# Altium PCB MainBoard_Layout_V2.1.PcbDoc (part 2 of 3)
Units mil, origin at the board's own origin, x right, y up, seen from the top; angles counter-clockwise.
Board outline 6141.73 x 3281.1 mil, 4 copper layers (Top Layer 1, Top Layer, Bottom Layer, Bottom Layer 1), stack 61.811 mil thick; 308 components, 232 nets, 1106 pads, 632 vias.
Unrouted connection lines stored in the file: 2.
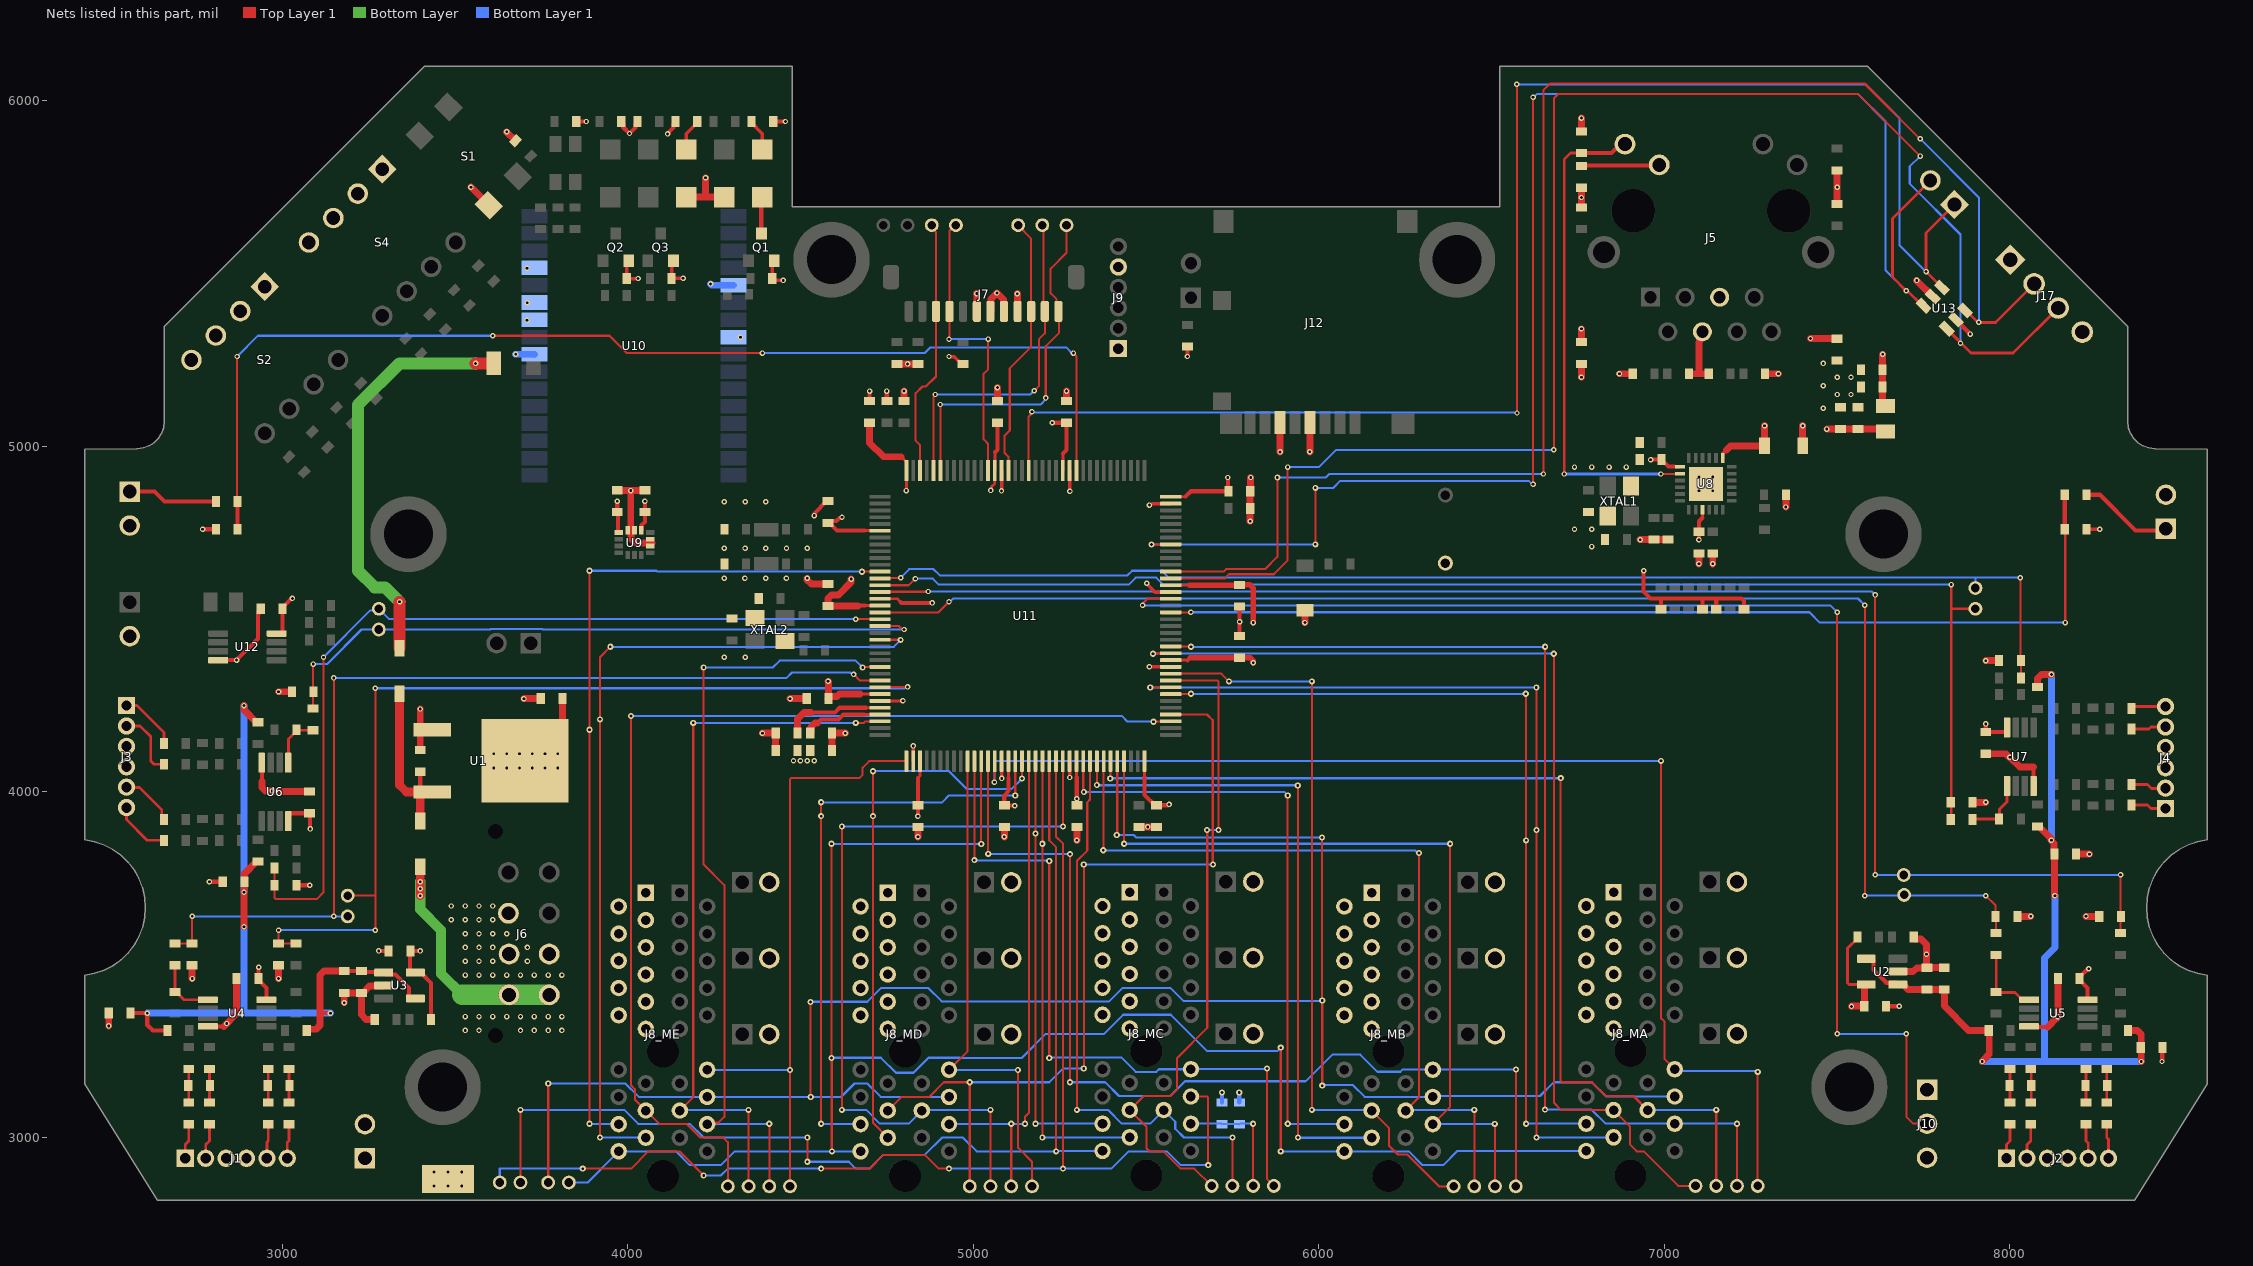
[diagram p4: the nets of this part, all layers, seen from the top]

## Part data (continued)
U11: "ARM® Cortex®-M7 STM32H7 Microcontroller IC 32-Bit 480MHz 2MB (2M x 8) FLASH 144-LQFP (20x20)", Package="LQFP-144 STMicroelectronics", ComponentLink1Description=SnapEDA, ComponentLink1URL=https://www.snapeda.com/parts/STM32H743ZIT6/STMicroelectronics/view-part/1041111/?ref=snap, ComponentLink2Description=DigiKey, ComponentLink2URL=https://www.digikey.ca/en/products/detail/stmicroelectronics/STM32H743ZIT6/7809238, ComponentLink3Description=Datasheet, ComponentLink3URL=https://www.st.com/resource/en/datasheet/stm32h743bi.pdf, Digikey=497-17721-ND, MF=STMicroelectronics, MP=STM32H743ZIT6
U12: "MAX 6685 Thermistor - SPI converter, 8bit", Supplier Part Number 1=MAX6682MUA+-ND, Supplier 1=Digi-Key
XTAL1 XTAL2: library part "XTAL 25MHZ 12PF SMD4", "25MHz ±10ppm Crystal 12pF 40 Ohms 2-SMD, No Lead", Frequency=25MHz, Load Capacitance=12pF, Package="2-SMD, No Lead", ESR="70 Ohms", MF="Yangxing Tech", MP=X322525MOB4SI, Supplier 1=Digi-Key
XTAL3: library part "XTAL 32.7680KHZ 12.5PF SMD 3215", "32.768kHz ±20ppm Crystal 12.5pF 70 kOhms 3215SMD, No Lead", Frequency=32.768kHz, Load Capacitance=12.5pF, Package="2-SMD, No Lead", Supplier Part Number 1=1712309, ComponentLink1Description=Digikey, ComponentLink1URL=https://www.digikey.ca/en/products/detail/ndk-america-inc/NX3215SA-32-768K-STD-MUA-8/2261469, ComponentLink2Description=Datasheet, ComponentLink2URL=https://media.digikey.com/datasheets/production/702868/1/NX3215SA-32-768K-STD-MUA-8.html, ESR="70 kOhms", MF="Seiko Epson", MP=Q13FC1350000400, Supplier 1=RSComponents

## Free pads (board coordinates)
  round 78.74 hole 78.74: 1(3365.93,4745.84) 1(3464.44,3145.84) 1(7535.56,3145.84) 1(7634.07,4745.84)
  round 220.47 hole 141.73: ""(3365.93,4745.84) ""(3464.44,3145.84) ""(4590,5540) ""(6400,5540) ""(7535.56,3145.84) ""(7634.07,4745.84)

## Via types
v1: diameter 15.75, hole 7.87, Top Layer 1 to Bottom Layer 1, tented both sides, 488 vias
v2: diameter 17.72, hole 7.87, Top Layer 1 to Bottom Layer 1, tented both sides, 119 vias
v3: diameter 17.72, hole 7.87, Top Layer 1 to Bottom Layer 1, 19 vias
v4: diameter 228.35, hole 141.73, Top Layer 1 to Bottom Layer 1, 6 vias

## Nets (pads, with @x,y where several pads share a name; then routed paths per layer and width w, separated by ;. In a path a pad name is that pad's centre, name@x,y a point inside that pad or via, vN(x,y) a via of type N, cw(c..) or ccw(c..) an arc to the next point about the centre after c; other vN are vias at no path point)
3V3: C2.1 C3.1 C4.1 C9.1 C10.1 C19.1 C22.1 C33.2 C34.2 C41.2 C50.2 C51.2 C53.2 C56.2 C57.2 C58.2 C59.2 C60.2 C61.2 C62.2 C63.2 C64.2 C65.2 C66.2 C67.2 C68.2 C69.2 C70.2 C71.2 C75.1 J1.4 J2.4 J3.4 J4.4 J7.7 J7.8 J9.1 J10.1 J11.1 J12.4 J17.1 L1.1 R1.2 R2.2 R3.2 R62.2 R63.2 R64.2 R66.2 R68.2 R82.2 R83.2 R84.2 R86.2 R87.2 R90.1 R96.2 R98.1 R103.2 U1.2 U2.5 U3.5 U4.8 U5.8 U6.8 U7.8 U8.9 U9.5 U9.8 U11.6 U11.17 U11.30 U11.32 U11.33 U11.39 U11.52 U11.62 U11.72 U11.84 U11.95 U11.108 U11.121 U11.131 U11.144 U12.8 U13.5 | length 6250
  Top Layer 1 w8: 4673.15,4283.15 U11.30@4730.63,4283.15 ; 4684.09,4224.09 U11.33@4730.63,4224.09 ; 4685.69,4756.15 4730.94,4756.15 U11.6@4731.02,4756.06 ; 4686.93,4539.26 4730.42,4539.26 U11.17@4730.63,4539.06 ; 4690.08,4243.78 U11.32@4730.63,4243.78 ; 4791.81,4970 4806.61,4955.2 U11.144@4806.61,4930 v1(4806.61,4872.03) ; 4840,4040 4845.98,4045.98 U11.39@4845.98,4089.06 ; v1(5050.7,4872.35) 5053.68,4875.34 5053.68,4883.68 5062.52,4892.52 U11.131@5062.52,4930 ; U11.131@5062.91,4930.47 5062.91,4982.91 ; 5102.28,4041.21 U11.52@5102.28,4089.53 ; U11.121@5259.76,4930.47 5259.76,4979.76 ; U11.62@5299.08,4089.47 5299.08,4042.37 5299.52,4041.92 ; 5495.98,4044.02 U11.72@5495.98,4089.53 ; U11.95@5571.57,4598.11 5571.65,4598.03 5626.65,4598.03 ; U11.84@5571.97,4382.05 5617.95,4382.05 5620,4380 ; U11.108@5571.97,4854.49 5614.49,4854.49 ; 7110.16,4793.32 U8.9@7110.16,4816.69 ; R2.2@7558.5,3580 7558.5,3576.06 7530,3547.56 7530,3447.28 7534.69,3442.6 U2.5@7580.31,3442.6
  Top Layer 1 w10: v1(4930,5260) 4930.54,5259.46 4945.11,5259.46 4966.06,5238.5 R84.2@4970,5238.5
  Top Layer 1 w12: v1(2932.55,3492.83) 2932.02,3492.3 2932.02,3460.53 C10.1@2931.5,3460 2931.5,3456.06 2954.65,3432.91 U4.8@2954.65,3398.39 ; U12.8@2984.65,4458.39 2998.05,4458.39 3001.5,4461.83 3001.5,4533.94 3027.56,4560 v1(3030,4560) ; U6.8@3018.39,3915.35 3018.39,3934.84 3022.05,3938.5 C19.1@3080,3938.5 3080.95,3937.55 3080.95,3893.94 v1(3081.9,3892.98) ; C3.1@3370,3539.25 3370,3483.21 3375.81,3477.4 3401.42,3477.4 3431.5,3447.32 R3.2@3431.5,3341.81 ; C3.1@3371.5,3540 v1(3400,3540) ; R96.2@3851.5,5940 v1(3880,5940) ; v1(3970,4841.5) C50.2@3970,4810 3972.17,4807.83 3972.17,4751.91 3973.06,4751.02 U9.8@3974.33,4751.02 ; R90.1@3981.5,5940 3987.31,5934.19 3987.31,5923.39 v1(4005.42,5905.28) 4022.69,5922.55 4022.69,5934.19 R98.1@4028.5,5940 ; U9.5@4039.68,4757.32 4040.57,4758.21 4040.57,4772.07 4050,4781.5 v1(4050,4841.5) ; v1(4115.66,5903.95) 4115.66,5905.66 4132.69,5922.69 4132.69,5934.19 R87.2@4138.5,5940 ; R86.2@4421.5,5940 v1(4456.69,5940) ; 4530,4230 4600,4230 4613.78,4243.78 4690.08,4243.78 ; 4550,4200 4560,4210 4610,4210 4624.09,4224.09 4684.09,4224.09 ; v1(4620.33,4795.18) 4618.11,4792.96 4612.96,4792.96 4603.76,4783.76 4585.26,4783.76 C69.2@4580,4778.5 4583.94,4778.5 4606.35,4756.09 4685.04,4756.09 ; 4666.18,4538.56 4666.69,4539.08 4686.74,4539.08 ; R103.2@4750,5131.5 v1(4750,5160) ; v1(4840,3930) 4840,3967.31 4840,4040 ; 5062.91,4982.91 5070,4990 C56.2@5070,5068.5 ; 5102.28,4041.21 5102.28,4002.28 5090,3990 C60.2@5090,3961.5 5090.78,3960.72 5119.28,3960.72 v1(5120,3960) ; v1(5228.51,5068.21) 5228.65,5068.36 5269.85,5068.36 C66.2@5270,5068.5 5270,4990 5259.76,4979.76 ; 5299.52,4041.92 5299.52,3980.48 v1(5300,3980) ; C61.2@5300,3961.5 v1@5300,3981.69 ; 5495.98,4044.02 5495.98,3991.57 5526.06,3961.5 C62.2@5530,3961.5 5564.46,3961.5 v1(5566.73,3963.77) ; 5614.49,4854.49 5630,4870 C65.2@5738.5,4870 5737.65,4870.86 5737.65,4908.96 v1(5736.79,4909.81) ; 5620,4380 5628.5,4388.5 ; v1(6940,4640) 6940,4580 6960.19,4559.81 6990,4559.81 ; R66.2@6990,4528.5 6990,4559.81 ; v1(7100,4730) C41.2@7100,4752.99 7100,4783.16 7110.16,4793.32 ; R68.2@7110,4528.5 7110,4559.81 ; R64.2@7150,4528.5 7150,4559.81 ; R63.2@7230,4528.5 7230,4552.78 7222.97,4559.81 7150,4559.81 ; U13.5@7843.41,5366.59 v1(7885.01,5324.99) ; v1(7930,4196.7) C22.1@7930,4173.39 7933.39,4170 7936.77,4173.39 7988.17,4173.39 7991.61,4176.83 U7.8@7991.61,4186.54 ; U5.8@8224.65,3398.39 8224.65,3432.91 8201.5,3456.06 8201.5,3463.94 8225.85,3488.29 v1(8228.36,3488.29) ; 6990,4559.81 7110,4559.81 ; 7110,4559.81 7150,4559.81
  Top Layer 1 w16: 5626.66,4598.02 5766.53,4598.02 C64.2@5770,4601.5 ; 5628.5,4388.5 C63.2@5770,4388.5 5801.5,4388.5 5810,4380 v1(5810,4374.13) ; C64.2@5771,4599.11 5800.63,4599.11 5810,4589.74 v1(5810,4490)
  Top Layer 1 w20: U1.2@3703,4090 3811.5,4198.5 C2.1@3811.5,4270 ; C68.2@4491.5,4170 4491.5,4211.5 4510,4230 4530,4230 ; C71.2@4528.5,4170 4530.31,4171.81 4530.31,4188.28 4542.03,4200 4550,4200 ; C58.2@4580,4268.5 C58.2@4580.69,4269.2 ; v1(4580,4320) 4580.69,4319.31 C58.2@4580.69,4269.2 ; v1(4646.73,4615.87) 4646.73,4606.73 4610,4570 4590,4570 4580,4560 C57.2@4580,4538.5 4583.54,4538.5 4583.6,4538.56 4666.18,4538.56 ; 4673.15,4283.15 4613.15,4283.15 4605.74,4275.74 4583.31,4275.74 4581.5,4273.93 C58.2@4581.5,4270 C58.2@4580.69,4269.2 ; C53.2@4700,5068.5 4700,5010 4740,4970 4791.81,4970 ; R82.2@4780,5238.5 v1(4810,5238.5) R83.2@4840,5238.5 ; J7.7@5049.68,5390.59 5051.5,5392.4 5051.5,5426.49 v1(5068.72,5443.71) 5087.24,5425.19 5087.24,5392.4 J7.8@5089.05,5390.59 ; v1(5974.21,4984.21) J12.4@5974.21,5069.17 ; v1(7351.41,4824.43) 7351.5,4824.51 R62.2@7351.5,4860 ; v1(7541.5,3379.44) 7542.06,3380 C4.1@7578.5,3380 7578.5,3440.79 U2.5@7580.31,3442.6 ; v1(7631.98,5266.19) 7631.5,5265.71 C34.2@7631.5,5221.5 C33.2@7631.5,5171.5 7631.26,5171.26 7631.26,5125.74 L1.1@7640,5117
  Bottom Layer 1 w12: R1.2@5770,3101.5 v2(5770,3130)
  other v1: 3612.99,4069.13 3650,4069.13 3687.01,4069.13 3724.02,4069.13 3761.02,4069.13 3798.03,4069.13 4480,4090 4500,4090 4520,4090 4540,4090 3612.99,4110.87 3650,4110.87 3687.01,4110.87 3724.02,4110.87 3761.02,4110.87 3798.03,4110.87
3V3_DIV2A: C6.1 C7.1 C20.1 C32.1 R32.2 R33.2 R60.2 R61.2 U2.1 U2.4 | length 2444.6
  Top Layer 1 w12: U2.4@7584.13,3517.4 7599.69,3517.4 7605.5,3511.59 7605.5,3484.5 7642.18,3447.82 7670.65,3447.82 U2.1@7675.87,3442.6 ; R61.2@8080,4303.39 R61.2@8083.94,4303.39 ; v1@8120,4339.45 v1(8120,4340) ; R33.2@8341.5,3310 R33.2@8347.31,3304.19
  Top Layer 1 w20: U2.1@7675.87,3442.6 7691.42,3442.6 7705.51,3428.5 C7.1@7760,3428.5 C6.1@7810,3428.5 7810,3380 7880,3310 R32.2@7938.5,3310 7940,3308.5 7940,3240.98 7920,3220.98 v1(7920,3220) ; R60.2@8080,3900.39 8083.94,3900.39 8119.31,3865.02 8119.31,3860.69 v1(8120,3860) 8120,3859.02 8127.98,3851.04 8127.98,3819.14 8129.31,3817.81 8129.31,3700.69 v1(8130,3700) ; R61.2@8080,4303.39 8080,4328.28 8091.02,4339.31 8119.31,4339.31 v1(8120,4340) ; R33.2@8341.5,3310 8368.28,3310 8380,3298.28 8380,3261.5 C32.1@8378.5,3260 8379.92,3258.58 8379.92,3220.08 v1(8380,3220)
  Bottom Layer 1 w20: v1(7920,3220) 8100,3220 ; v1(8120,3860) v1(8120,4340) ; v1(8130,3700) 8130,3550 8100,3520 8100,3220 ; v1(8380,3220) 8100,3220
3V3_DIV2B: C5.1 C8.1 C21.2 C31.1 R30.2 R31.2 R58.2 R59.2 U3.1 U3.4 | length 2341.5
  Top Layer 1 w12: C21.2@2561.5,3360 v1(2610,3360) 2610,3326.05 2626.05,3310 R30.2@2668.5,3310 ; 3110,3360 v1(3140,3360) ; 3110,3460 3110,3470 ; C8.1@3180,3481.5 C5.1@3230,3481.5 3232.05,3479.45 3292.09,3479.45 U3.1@3294.13,3477.4 3299.94,3471.59 3328.41,3471.59 3367.46,3432.54 3367.46,3408.41 3373.27,3402.6 U3.4@3385.87,3402.6
  Top Layer 1 w20: v1(2890,3610) v1(2890,3710) 2890.69,3710.69 C31.1@2890.69,3739.2 ; v1(2890,4250) 2890.69,4249.31 2890.69,4236.87 2926.06,4201.5 R58.2@2930,4201.5 ; C31.1@2891.5,3740 C31.1@2890.69,3739.2 ; R59.2@2930,3798.5 2926.06,3798.5 2890.69,3763.13 C31.1@2890.69,3739.2 ; R31.2@3071.5,3310 3071.5,3311.39 3073.31,3313.2 3098.28,3313.2 3110,3324.91 3110,3360 3110,3470 3121.5,3481.5 C8.1@3180,3481.5
  Bottom Layer 1 w20: v1(2610,3360) 2719.99,3359.99 2890,3360 ; 2890,3370 v1(2890,3610) ; v1(2890,3710) v1(2890,4250) ; v1(3140,3360) 2940,3360 ; 2890,3360 2940,3360 ; 2890,3360 2930,3360 2940,3360
5V: C1.1 D1.C D2.C U1.3 | length 514.3
  Top Layer 1 w12: C1.1@3400,4058.5 3400,4013.29 3413.29,4000 U1.3@3435,4000
  Top Layer 1 w25: D1.C@3340,4284 3340,4020 3360,4000 3393.56,4000 3400,3993.56 U1.3@3400,3993.21 ; D2.C@3400,3916 U1.3@3400,3993.21 ; U1.3@3413.29,4000 3406.79,4000 U1.3@3400,3993.21
5V_PWR_BRD: D2.A J6.4 J6.8 | length 713
  Top Layer 1 w25: v1(3400,3700) v1(3400,3720) v1(3400,3740) D2.A@3400,3784
  Top Layer 1 w60: J6.8@3657.04,3412.88 J6.8@3657.09,3412.83
  Bottom Layer w30: v1(3400,3740) v1(3400,3720) v1(3400,3700) 3400,3660 3460,3600 3460,3474.43 3521.55,3412.88
  Bottom Layer w60: 3521.55,3412.88 J6.8@3657.04,3412.88 ; J6.8@3657.09,3412.83 J6.4@3773.07,3412.83
5V_USB_CHRG: D1.A F1.2 | length 1213.5
  Top Layer 1 w35: D1.A@3340,4416 v1(3340,4550) ; v1(3560,5240) F1.2@3612.52,5240
  Bottom Layer w35: v1(3340,4550) 3298.13,4591.87 3268.13,4591.87 3220,4640 3220,5120 3340,5240 v1(3560,5240)
BREAKBEAM: J10.2 U11.93 | length 3851.6
  Top Layer 1 w6: v1(5490,4540) 5490,4544.75 5504.46,4559.21 U11.93@5571.97,4559.21 ; v1(7500,3300) v1(7500,4520) ; v1(7700,3300) 7700,3060 7720,3040 J10.2@7760,3040 J10.2@7751.31,3048.69
  Bottom Layer 1 w6: v1(5490,4540) 7480,4540 v1(7500,4520) ; v1(7500,3300) v1(7700,3300)
CHARGE_PWR_BRD: J7.10 PWR_CHRG.1 U11.129 | length 762.8
  Top Layer 1 w6: U11.129@5101.89,4930 5101.89,4970.21 5090,4982.1 5090,5030 5105.76,5045.76 5105.76,5225.76 5167.79,5287.79 J7.10@5167.79,5390.59 5167.79,5601.19 5130,5638.99 PWR_CHRG.1@5130,5640
CHIP_PWR_BRD: CHIP.1 J7.11 U11.140 | length 1006.8
  Top Layer 1 w6: U11.140@4885.33,4930.89 4885.33,5142.69 4890,5147.36 v1(4890,5150) ; v1(5176.54,5161.01) 5190,5174.47 5190,5310 5207.16,5327.16 J7.11@5207.16,5390.59 5203.58,5394.17 5203.58,5636.42 CHIP.1@5200,5640
  Bottom Layer 1 w6: v1(4890,5150) 5165.53,5150 v1(5176.54,5161.01)
COS_A: R6.1 R12.2 U4.1 | length 181.9
  Top Layer 1 w8: R12.2@2690,3498.5 R6.1@2690,3421.5 2693.94,3421.5 2717.05,3398.39 U4.1@2785.35,3398.39
COS_B: R37.1 R43.2 U7.1 | length 182.7
  Top Layer 1 w8: R43.2@7891.5,3920 7893.39,3921.89 R37.1@7968.5,3921.89 7970,3923.39 7970,3950 7991.61,3971.61 U7.1@7991.61,4017.24
COS_C: R7.1 R13.2 U5.1 | length 211.9
  Top Layer 1 w8: R13.2@7960,3528.5 R7.1@7960,3421.5 7961.5,3420 8014.25,3420 8035.87,3398.39 U5.1@8055.35,3398.39
COS_D: R34.1 R38.2 U6.1 | length 154.1
  Top Layer 1 w8: U6.1@3018.39,4084.65 3018.39,4152.95 3041.5,4176.06 R34.1@3041.5,4180 3042.99,4178.5 R38.2@3090,4178.5
CSOUT_MA: CS_MA.1 J8_MA.A12 U11.50 | length 3531.8
  Top Layer 1 w6: v1(5061.39,4028.07) 5061.96,4028.63 5061.96,4088.49 U11.50@5062.52,4089.06 ; v2(6990,4090) 6990,3345.95 7000,3335.95 7000,3227.48 J8_MA.A12@7030,3197.48 ; CS_MA.1@7270,2860 v2(7270,3190)
  Bottom Layer 1 w6: v1(5061.39,4028.07) 5061.96,4028.63 5061.96,4086.49 5065.47,4090 v2(6990,4090) ; J8_MA.A12@7030,3197.48 7035.24,3192.24 7267.76,3192.24 v2(7270,3190)
CSOUT_MB: CS_MB.1 J8_MB.A12 U11.49 | length 2883.9
  Top Layer 1 w6: U11.49@5042.83,4089.06 5043.2,4088.69 5043.2,3821.17 v2(5043.56,3820.8) ; v2(5280,3160) v2(5280,3820) ; CS_MB.1@6570,2858.74 6570.32,2859.06 6570.32,3196.56 v2(6570.64,3196.88)
  Bottom Layer 1 w6: v2(5043.56,3820.8) 5043.96,3820.4 5279.6,3820.4 v2(5280,3820) ; v2(5280,3160) 5381.84,3160 5421.84,3120 5570,3120 5612.83,3162.83 5961.95,3162.83 6039.13,3240 6120,3240 6169.59,3190.41 6235.81,3190.41 6241.62,3196.22 J8_MB.A12@6330,3196.22 6330.33,3196.55 6570.31,3196.55 v2(6570.64,3196.88)
CSOUT_MC: CS_MC.1 J8_MC.A12 U11.47 | length 2075.4
  Top Layer 1 w6: v2(5003.27,3802.6) 5003.37,3802.7 5003.37,4088.96 U11.47@5003.46,4089.06 ; v2(5220,3230) v2(5220,3800) ; v2(5850,3200) 5849.6,3199.6 5849.6,2880.4 CS_MC.1@5870,2860
  Bottom Layer 1 w6: v2(5003.27,3802.6) 5004.57,3801.3 5218.7,3801.3 v2(5220,3800) ; v2(5220,3230) 5222.13,3232.13 5427.87,3232.13 5470,3190 5530,3190 5537.48,3197.48 J8_MC.A12@5630,3197.48 5631.26,3198.74 5848.74,3198.74 v2(5850,3200)
CSOUT_MD: CS_MD.1 J8_MD.A12 U11.46 | length 1468.7
  Top Layer 1 w6: J8_MD.A12@4930,3196.22 4983.78,3250 U11.46@4983.78,4089.06 ; v2(5129.15,3195.48) 5129.15,2970 5130,2970 5170,2930 CS_MD.1@5170,2858.74
  Bottom Layer 1 w6: J8_MD.A12@4930,3196.22 4930.37,3195.85 5128.78,3195.85 v2(5129.15,3195.48)
CSOUT_ME: CS_ME.1 J8_ME.A12 U11.37 | length 1788.3
  Top Layer 1 w6: CS_ME.1@4470,2858.74 4469.93,2858.81 4469.93,3195.13 v2(4469.86,3195.2) 4469.86,4036.34 4473.51,4040 4670,4040 4680,4050 4680,4070 4699.13,4089.13 U11.37@4806.61,4089.06
  Bottom Layer 1 w6: J8_ME.A12@4230,3196.22 4230.51,3195.71 4469.35,3195.71 v2(4469.86,3195.2)
DIR_MA: DIR_MA.1 J8_MA.A16 U11.86 | length 3175.6
  Top Layer 1 w6: U11.86@5571.57,4420.94 5572.05,4420.47 5629.53,4420.47 v2(5630,4420) ; v2(6654.42,3080.74) 6654.66,3080.97 6654.66,4419.71 v2(6654.89,4419.94) ; DIR_MA.1@7210,2860 v2(7210,3040)
  Bottom Layer 1 w6: v2(5630,4420) v2@6654.86,4419.97 ; v2(6654.42,3080.74) 6789.26,3080.74 6830,3040 J8_MA.A16@7030,3040 v2(7210,3040)
DIR_MB: DIR_MB.1 J8_MB.A16 U11.69 | length 2375.1
  Top Layer 1 w6: U11.69@5436.54,4089.06 5436.65,4088.94 5436.65,3850.07 v2(5436.76,3849.96) ; J8_MB.A16@6330,3038.74 6380,3088.74 v2(6380,3850) ; v2(6509.21,3039.56) 6509.6,3039.17 6509.6,2859.14 DIR_MB.1@6510,2858.74
  Bottom Layer 1 w6: v2(5436.76,3849.96) v2(6380,3850) ; J8_MB.A16@6330,3038.74 6330.41,3039.15 6508.8,3039.15 v2(6509.21,3039.56)
DIR_MC: DIR_MC.1 J8_MC.A16 R1.1 R114.2 | length 361.5
  Top Layer 1 w6: DIR_MC.1@5810,2860 v2(5810,3040)
  Bottom Layer 1 w6: J8_MC.A16@5630,3040 R114.2@5720,3040 ; R114.2@5720,3038.5 5721.09,3039.59 5768.91,3039.59 R1.1@5770,3038.5 5771.5,3040 v2(5810,3040)
DIR_MD: DIR_MD.1 J8_MD.A16 U11.55 | length 1455.4
  Top Layer 1 w6: DIR_MD.1@5110,2858.74 v2(5110,3040) ; v2(5150,3040) 5150,3060 5160.94,3070.94 U11.55@5160.94,4089.06
  Bottom Layer 1 w6: J8_MD.A16@4930,3038.74 4930.63,3039.37 5149.37,3039.37 v2(5150,3040)
DIR_ME: DIR_ME.1 J8_ME.A16 U11.26 | length 2273.4
  Top Layer 1 w6: v2(4220,4360) 4220,3790 4280,3730 4280,3060 4262.78,3042.78 4234.04,3042.78 J8_ME.A16@4230,3038.74 ; DIR_ME.1@4410,2858.74 v2(4410,3040) ; v2(4680,4360) 4680.94,4360.94 4729.69,4360.94 U11.26@4730.63,4361.89
  Bottom Layer 1 w6: v2(4220,4360) 4420,4360 4440,4380 4660,4380 v2(4680,4360) ; J8_ME.A16@4230,3038.74 4230.63,3039.37 4409.37,3039.37 v2(4410,3040)
DONE_PWR_BRD: J7.4 PWR_DONE.1 U11.132 | length 833.8
  Top Layer 1 w6: v1(4930,5310) 4930.79,5310.79 4930.79,5390.59 4930.79,5623.17 4943.49,5635.88 PWR_DONE.1@4943.49,5636.51 ; U11.132@5042.88,4933.44 5043.09,4933.65 5043.09,5006.91 5030,5020 5030,5210 5043.09,5223.09 5043.09,5310.24 v1(5043.35,5310.5)
  Bottom Layer 1 w6: v1(4930,5310) 4930.25,5310.25 5043.1,5310.25 v1(5043.35,5310.5)
DRIBBLER_MODE: D_MODE.1 J8_MC.A14 U11.59 | length 3652.6
  Top Layer 1 w6: v2(3870,2910) 4010,2910 4060,2960 4150,2960 v2(4220,2890) ; v2(4560,2910) 4700,2910 4740,2950 4860,2950 4900,2910 v2(4930,2910) ; U11.59@5239.69,4089.06 5239.69,3870.31 5260,3850 v2(5260,2910) ; J8_MC.A14@5630,3118.74 5676.49,3118.74 5680,3115.23 v2(5680,2920)
  Bottom Layer 1 w6: D_MODE.1@3630,2870 3630,2910 v2(3870,2910) ; v2(4220,2890) 4270,2890 4290,2910 v2(4560,2910) ; v2(4930,2910) 5400,2910 5450,2960 5560,2960 5600,2920 v2(5680,2920)
DRIBBLER_RESET: D_RESET.1 J8_MC.B18 U11.58 | length 3197.2
  Top Layer 1 w6: D_RESET.1@3690,2870 v2(3690,3080) ; v2(4520,2930) v2(4520,3000) ; U11.58@5220,4089.06 5220,3860 5240,3840 v2(5240,2960)
  Bottom Layer 1 w6: v2(3690,3080) 3990,3080 4030.27,3039.73 4180,3039.73 4219.73,3000 v2(4520,3000) ; v2(4520,2930) 4640,2930 4660,2910 4700,2910 4740,2950 4860,2950 4910,3000 4970,3000 5010,2960 v2(5240,2960) 5241.26,2961.26 J8_MC.B18@5374.09,2961.26
DRIVE_RESET: J8_MA.B18 J8_MB.B18 J8_MD.B18 J8_ME.B18 M_RST.1 U11.48 | length 5132.3
  Top Layer 1 w6: v2(4590,3850) v2(4590,3230) 4590.71,3229.29 4590.71,2960.71 v2(4591.42,2960) ; v2(5023.17,3849.37) U11.48@5023.16,4089.04 ; v2(5890,2960) v2(5890,3260)
  Bottom Layer 1 w6: M_RST.1@3830,2870 3884.09,2870 J8_ME.B18@3974.09,2960 4140,2960 4180,2920 4270,2920 4310,2960 v2(4591.42,2960) J8_MD.B18@4674.09,2960 ; v2(4590,3230) 4590.87,3230.87 4732.97,3230.87 4776.46,3187.38 4827.13,3187.38 4870.62,3230.87 4962.39,3230.87 4963.26,3230 5140,3230 5210,3300 5378.79,3300 5433.96,3355.17 5571.88,3355.17 5677.06,3250 5880,3250 v2(5890,3260) ; v2(4590,3850) 4590.31,3849.69 5022.86,3849.69 v2(5023.17,3849.37) ; v2(5890,2960) J8_MB.B18@6074.09,2960 6260,2960 6300,2920 6360,2920 6401.26,2961.26 J8_MA.B18@6774.09,2961.26
EA_COS: C13.1 EA_COS.1 R12.1 U11.28 | length 2865.3
  Top Layer 1 w6: R12.1@2690,3561.5 C13.1@2740,3561.5 v1(2740,3640) ; v1(3150,3640) v1(3150,4330) ; v1(4653.9,4340) 4670.91,4322.99 U11.28@4731.02,4322.99
  Bottom Layer 1 w6: v1(2740,3640) v1(3150,3640) EA_COS.1@3190,3640 ; v1(3150,4330) 4460,4330 4475.52,4345.52 4643.61,4345.52 4649.13,4340 v1(4653.9,4340)
EA_SIN: C17.1 EA_SIN.1 R24.1 U11.29 | length 2778.5
  Top Layer 1 w6: v1(2990,3600) C17.1@2990,3561.5 R24.1@3028.5,3561.5 ; R24.1@3027.25,3569.89 3028.5,3568.64 R24.1@3028.5,3561.5 ; R24.1@3040,3561.5 R24.1@3028.5,3561.5 ; EA_SIN.1@3190,3700 3270,3700 ; v1(3270,3600) 3270,3700 ; v1(3270,4300) 3270,3700 ; U11.29@4731.02,4303.31 4731.33,4303.61 4809.83,4303.61 v1(4810.13,4303.92)
  Bottom Layer 1 w6: v1(2990,3600) v1(3270,3600) ; v1(3270,4300) 4801.45,4300 4805.36,4303.92 v1(4810.13,4303.92)
EB_COS: C26.1 EB_COS.1 R43.1 U11.14 | length 3882.7
  Top Layer 1 w6: U11.14@4731.5,4598.11 4813.34,4598.11 4832.31,4617.08 v1(4832.78,4617.08) ; R43.1@7828.5,3920 7830,3921.5 C26.1@7830,3968.5 ; v1(7830,4600) 7830,4530 ; C26.1@7831.5,3970 C26.1@7830,3968.5 ; EB_COS.1@7900,4530 7830,4530 ; C26.1@7830,3968.5 7830,4530
  Bottom Layer 1 w6: v1(4832.78,4617.08) 4882.92,4617.08 4900,4600 5450,4600 5470,4620 5530,4620 5550,4600 v1(7830,4600)
EB_SIN: C30.1 EB_SIN.1 R55.1 U11.13 | length 3652.4
  Top Layer 1 w6: U11.13@4730.72,4617.97 4731.65,4618.9 4788.9,4618.9 v1(4790,4620) ; v1(8030,4620) 8030,4381.5 C30.1@8031.5,4380 R55.1@8031.5,4330
  Bottom Layer 1 w6: v1(4790,4620) 4814.84,4644.84 4885.16,4644.84 4903.42,4626.58 5446.58,4626.58 5460,4640 5546.22,4640 5566.22,4620 7900,4620 ; EB_SIN.1@7900,4590 7900,4620 ; v1(8030,4620) 7900,4620